# Altium PCB PCB_HTN.PcbDoc
Units mil, origin at the board's own origin, x right, y up, seen from the top; angles counter-clockwise.
Board outline 3300 x 2725 mil, 2 copper layers (Top Layer, Bottom Layer); 36 components, 18 nets, 404 pads, 60 vias.
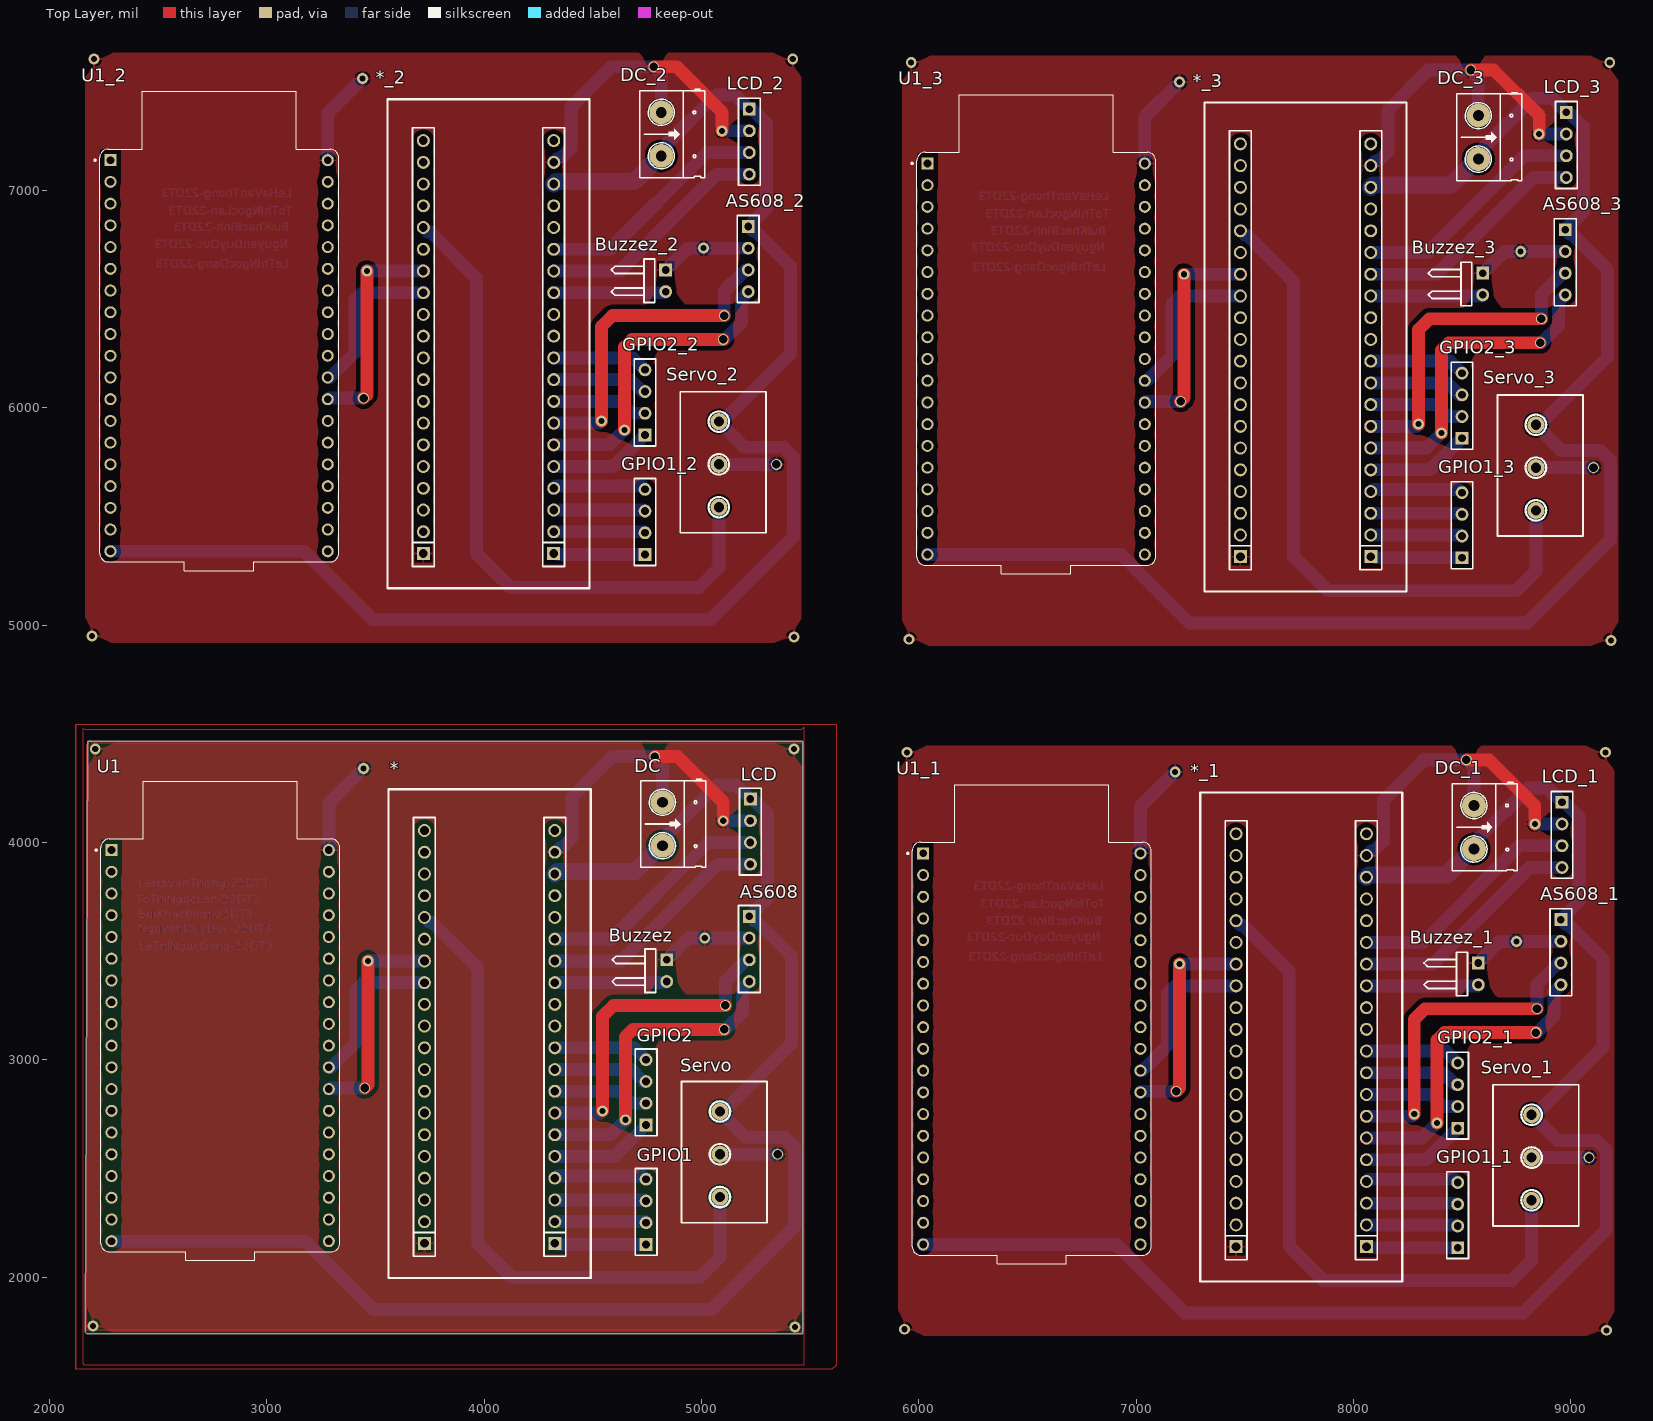
[diagram p0: Top Layer view]
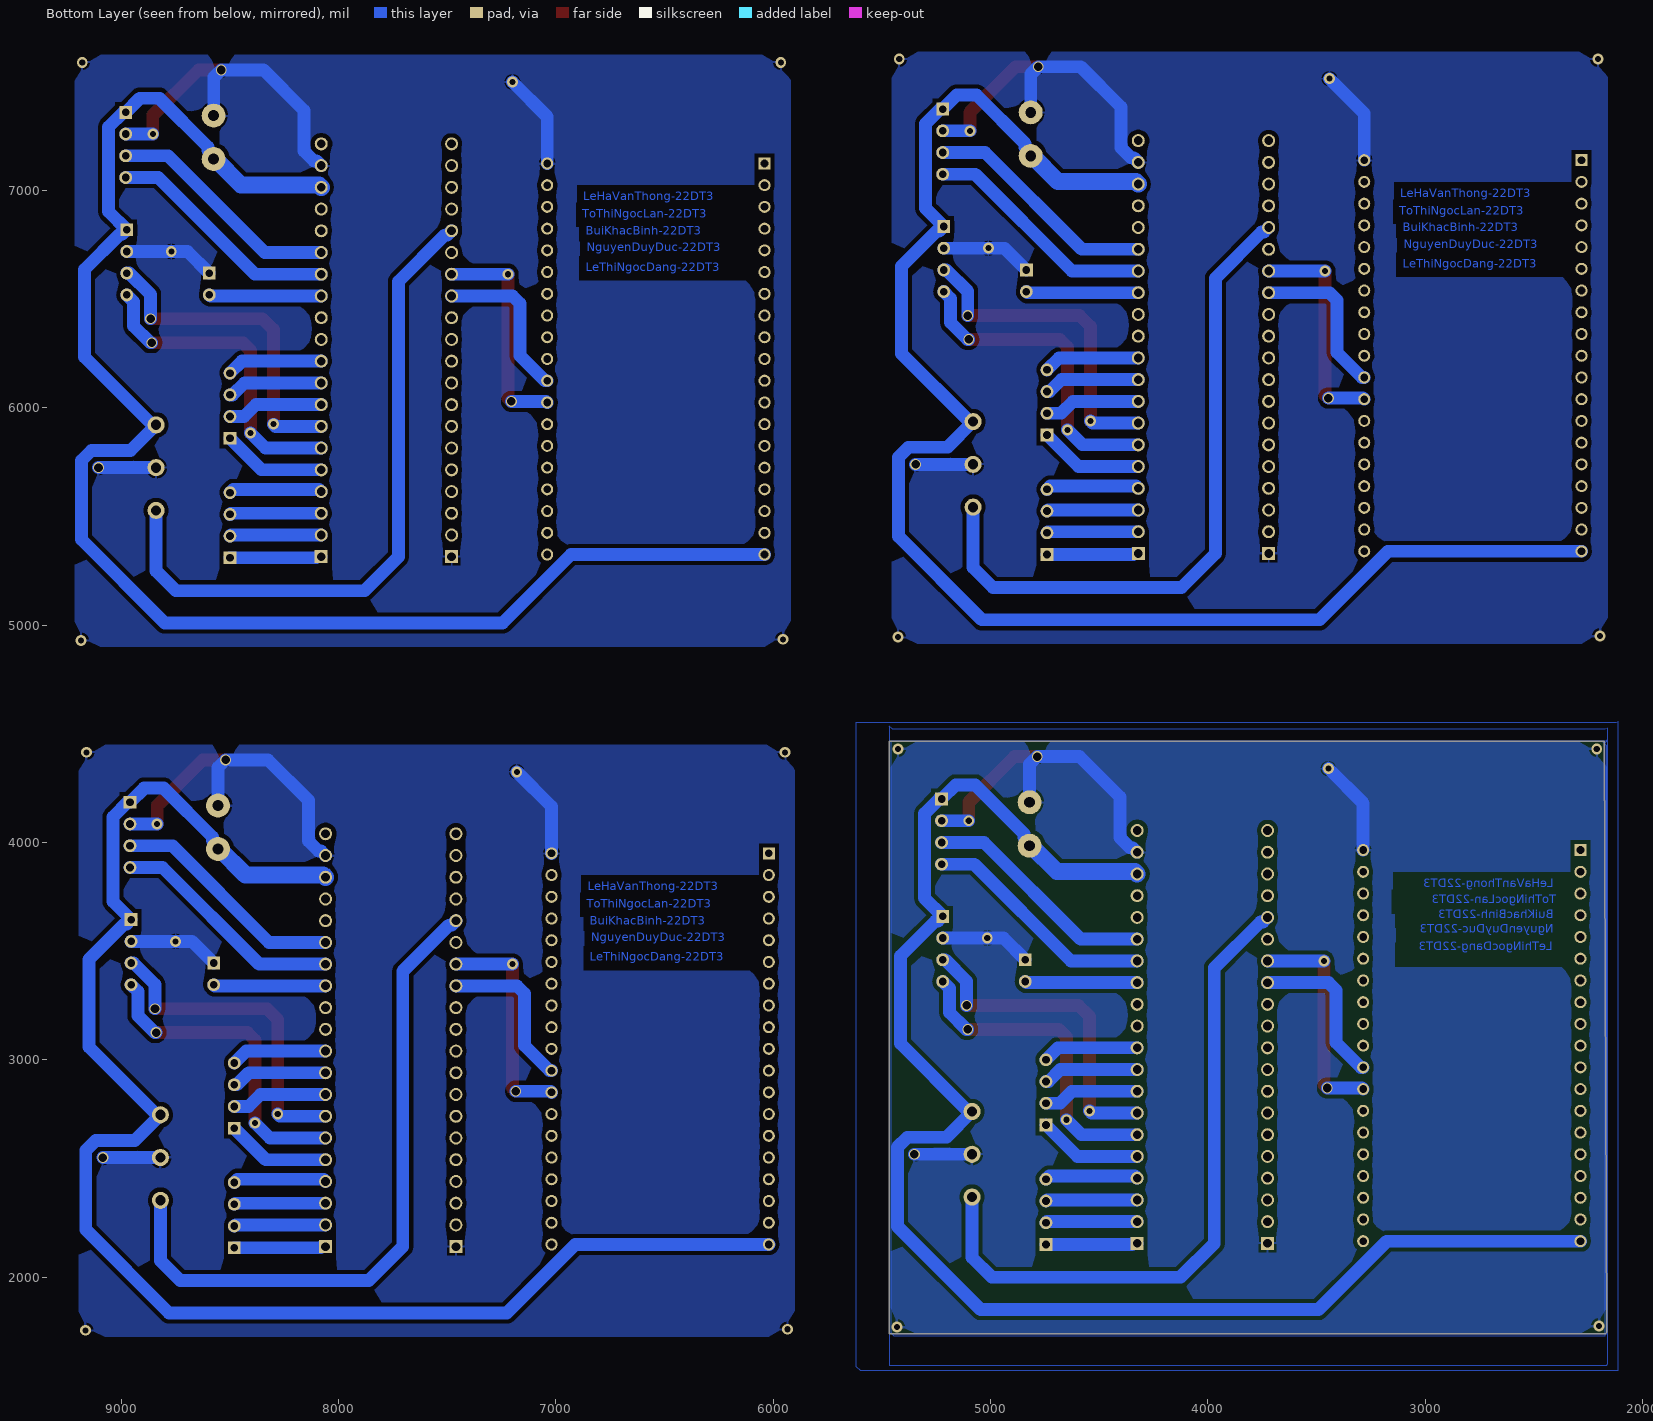
[diagram p1: Bottom Layer view, seen from below]

## Layer stack, top to bottom
Top Solder: solder mask 0.4, Solder Resist, Dk 3.5
Top Layer: signal copper 1.4
Dielectric 1: dielectric 12.6, FR-4, Dk 4.8
Bottom Layer: signal copper 1.4
Bottom Solder: solder mask 0.4, Solder Resist, Dk 3.5

## Board outline
2175,4465 5465,4465 5465,1740 2170,1740 2165,1745

## Design rules (kind name [scope] priority, off if disabled: settings)
Clearance [All] p1: gap=19.68 ignorepadtopadclearanceinfootprint=FALSE
PolygonConnect [All] p1: connectstyle=Relief reliefconductorwidth=10 reliefentries=4 polygonreliefangle="90 Angle" airgapwidth=10
RoutingVias [All] p1: holewidth=28 width=50 viastyle="Through Hole" minholewidth=28 minwidth=50 maxholewidth=28 maxwidth=50
SolderMaskExpansion [All] p1: expansion=4 istentingtop=FALSE
SupplyNets "Schematic Supply Nets" [InNet('GND')] p1: voltage=0.000
Width [All] p1: maxlimit=59.06 minlimit=59.06 preferedwidth=59.06
30 further rules are at their usual default settings.

## Classes and differential pairs
component class Sheet_HTN: * *1 AS608 Buzzez DC GPIO1 GPIO2 LCD Servo U1

## Components (designator, comment, footprint, x,y, rotation, side; value= is the part's Value field where it differs from the comment)
* "STM32F103" STM32F103 4930,2900 r90 top
*_1 "STM32F103" STM32F103 8665,2885 r90 top (schematic designator *)
*_2 "STM32F103" STM32F103 4925,6075 r90 top (schematic designator *)
*_3 "STM32F103" STM32F103 8685,6060 r90 top (schematic designator *)
AS608 "Header 4" HDR1X4 5220,3660 r270 top
AS608_1 "Header 4" HDR1X4 8955,3645 r270 top (schematic designator AS608)
AS608_2 "Header 4" HDR1X4 5215,6835 r270 top (schematic designator AS608)
AS608_3 "Header 4" HDR1X4 8975,6820 r270 top (schematic designator AS608)
Buzzez "Header 2H" HDR1X2H 4840,3460 r270 top
Buzzez_1 "Header 2H" HDR1X2H 8575,3445 r270 top (schematic designator Buzzez)
Buzzez_2 "Header 2H" HDR1X2H 4835,6635 r270 top (schematic designator Buzzez)
Buzzez_3 "Header 2H" HDR1X2H 8595,6620 r270 top (schematic designator Buzzez)
DC "Header 2" HED2 4820,4185 r270 top
DC_1 "Header 2" HED2 8555,4170 r270 top (schematic designator DC)
DC_2 "Header 2" HED2 4815,7360 r270 top (schematic designator DC)
DC_3 "Header 2" HED2 8575,7345 r270 top (schematic designator DC)
GPIO1 "Header 4" HDR1X4 4745,2150 r90 top
GPIO1_1 "Header 4" HDR1X4 8480,2135 r90 top (schematic designator GPIO1)
GPIO1_2 "Header 4" HDR1X4 4740,5325 r90 top (schematic designator GPIO1)
GPIO1_3 "Header 4" HDR1X4 8500,5310 r90 top (schematic designator GPIO1)
GPIO2 "Header 4" HDR1X4 4745,2700 r90 top
GPIO2_1 "Header 4" HDR1X4 8480,2685 r90 top (schematic designator GPIO2)
GPIO2_2 "Header 4" HDR1X4 4740,5875 r90 top (schematic designator GPIO2)
GPIO2_3 "Header 4" HDR1X4 8500,5860 r90 top (schematic designator GPIO2)
LCD "Header 4" HDR1X4 5225,4200 r270 top
LCD_1 "Header 4" HDR1X4 8960,4185 r270 top (schematic designator LCD)
LCD_2 "Header 4" HDR1X4 5220,7375 r270 top (schematic designator LCD)
LCD_3 "Header 4" HDR1X4 8980,7360 r270 top (schematic designator LCD)
Servo "Header 3" HED3 5085,2565 r90 top
Servo_1 "Header 3" HED3 8820,2550 r90 top (schematic designator Servo)
Servo_2 "Header 3" HED3 5080,5740 r90 top (schematic designator Servo)
Servo_3 "Header 3" HED3 8840,5725 r90 top (schematic designator Servo)
U1 "ESP32-DEVKITC-32E" MODULE_ESP32-DEVKITC-32E 2785,3065.98 r0 top
U1_1 "ESP32-DEVKITC-32E" MODULE_ESP32-DEVKITC-32E 6520,3050.98 r0 top (schematic designator U1)
U1_2 "ESP32-DEVKITC-32E" MODULE_ESP32-DEVKITC-32E 2780,6240.98 r0 top (schematic designator U1)
U1_3 "ESP32-DEVKITC-32E" MODULE_ESP32-DEVKITC-32E 6540,6225.98 r0 top (schematic designator U1)

## Footprints (in the part's own frame and the unit in brackets; to place one, negate y for a bottom-side part, rotate by r counter-clockwise, add the part's x,y. Pads: shape width x height; smd on the part's side, far side on the other; paste and mask are expansions set on the pad)
HDR1X2H [mm] "Connector; Header; 2 Position; Right Angle"
  rect 1.5x1.5 hole 0.9: 1(0,0)
  round 1.5 hole 0.9: 2(2.54,0)
  silkscreen extent -1.27,-6.35 3.81,-1.27, body extent -1.27,-7 3.81,1.27, height 4.33
HDR1X4 [mm] "Connector; Header; 4 Position"
  rect 1.5x1.5 hole 0.9: 1(0,0)
  round 1.5 hole 0.9: 2(2.54,0) 3(5.08,0) 4(7.62,0)
  silkscreen extent -1.27,-1.27 8.89,1.27, body extent -1.27,-1.27 8.89,1.27, height 7
HED2 [mil] "Header 2, 2 pin, hight 300mil, Pin to Pin 200, Colour Green"
  round 110 hole 50: 1(0,0) 2(200,0)
  silkscreen extent -106,-100 300,200, body extent -92,-140 302,155, height 394
HED3 [mm]
  round 2 hole 1.2 mask+0.01: 1(-5,0) 2(0,0) 3(5,0)
  silkscreen extent -8,-5.5 8.5,4.5, body extent -7.5,-5 8,4, height 12.5
MODULE_ESP32-DEVKITC-32E [mm]
  rect 1.408x1.408 / inner round 1.408 / far side rect 1.408x1.408 hole 0.9: J2_1(-12.7,22.835)
  round 1.408 hole 0.9: J2_2(-12.7,20.295) J2_3(-12.7,17.755) J2_4(-12.7,15.215) J2_5(-12.7,12.675) J2_6(-12.7,10.135) J2_7(-12.7,7.595) J2_8(-12.7,5.055) J2_9(-12.7,2.515) J2_10(-12.7,-0.025) J2_11(-12.7,-2.565) J2_12(-12.7,-5.105) J2_13(-12.7,-7.645) J2_14(-12.7,-10.185) J2_15(-12.7,-12.725) J2_16(-12.7,-15.265) J2_17(-12.7,-17.805) J2_18(-12.7,-20.345) J2_19(-12.7,-22.885) J3_1(12.7,22.835) J3_2(12.7,20.295) J3_3(12.7,17.755) J3_4(12.7,15.215) J3_5(12.7,12.675) J3_6(12.7,10.135) J3_7(12.7,7.595) J3_8(12.7,5.055) J3_9(12.7,2.515) J3_10(12.7,-0.025) J3_11(12.7,-2.565) J3_12(12.7,-5.105) J3_13(12.7,-7.645) J3_14(12.7,-10.185) J3_15(12.7,-12.725) J3_16(12.7,-15.265) J3_17(12.7,-17.805) J3_18(12.7,-20.345) J3_19(12.7,-22.885)
  silkscreen extent -14.6,-25.13 13.97,30.87, body extent -13.97,-24.8 13.97,30.3, height 6.69
STM32F103 [mm]
  rect 1.52x1.52 hole 1.02: 0(-18.923,30.607) 39(-18.923,15.367)
  round 1.52 hole 1.02: 1(-16.383,30.607) 2(-13.843,30.607) 3(-11.303,30.607) 4(-8.763,30.607) 5(-6.223,30.607) 6(-3.683,30.607) 7(-1.143,30.607) 8(1.397,30.607) 9(3.937,30.607) 10(6.477,30.607) 11(9.017,30.607) 12(11.557,30.607) 13(14.097,30.607) 14(16.637,30.607) 15(19.177,30.607) 16(21.717,30.607) 17(24.257,30.607) 18(26.797,30.607) 19(29.337,30.607) 20(29.337,15.367) 21(26.797,15.367) 22(24.257,15.367) 23(21.717,15.367) 24(19.177,15.367) 25(16.637,15.367) 26(14.097,15.367) 27(11.557,15.367) 28(9.017,15.367) 29(6.477,15.367) 30(3.937,15.367) 31(1.397,15.367) 32(-1.143,15.367) 33(-3.683,15.367) 34(-6.223,15.367) 35(-8.763,15.367) 36(-11.303,15.367) 37(-13.843,15.367) 38(-16.383,15.367)
  silkscreen extent -22.99,11.18 34.16,34.8, body extent -22.23,11.43 35.33,34.29, height 20.44

## Part data
AS608 AS608_1 AS608_2 AS608_3 GPIO1 GPIO1_1 GPIO1_2 GPIO1_3 GPIO2 GPIO2_1 GPIO2_2 GPIO2_3 LCD LCD_1 LCD_2 LCD_3: "Header, 4-Pin", LatestRevisionDate=17-Jul-2002, LatestRevisionNote="Re-released for DXP Platform.", Publisher="Altium Limited"
Buzzez Buzzez_1 Buzzez_2 Buzzez_3: "Header, 2-Pin, Right Angle", LatestRevisionDate=17-Jul-2002, LatestRevisionNote="Re-released for DXP Platform.", Publisher="Altium Limited"
DC DC_1 DC_2 DC_3: library part Hed2, "Header 2 (Green)"
Servo Servo_1 Servo_2 Servo_3: library part Hed3, "Header 3 (Green)"
U1 U1_1 U1_2 U1_3: "The ESP32-DEVKITC-32E transceiver evaluation board from Espressif Systems is a powerful development tool for wireless communication technologies. It supports 802.11 b/g/n Wi-Fi and BluetoothÂ® Smart Ready 4.x (BLE) dual-mode at 2.4GHz, making it ideal for", Package=None, Check_prices=https://www.snapeda.com/parts/ESP32-DEVKITC-32E/Espressif+Systems/view-part/?ref=eda, MF="Espressif Systems", MP=ESP32-DEVKITC-32E, SnapEDA_Link=https://www.snapeda.com/parts/ESP32-DEVKITC-32E/Espressif+Systems/view-part/?ref=snap

## Via types
v1: diameter 50/50 (per signal layer), hole 28, Top Layer to Bottom Layer, 32 vias
v2: diameter 50/50 (per signal layer), hole 39.37, Top Layer to Bottom Layer, 20 vias
v3: diameter 50, hole 28, Top Layer to Bottom Layer, 8 vias

## Nets (pads, with @x,y where several pads share a name; then routed paths per layer and width w, separated by ;. In a path a pad name is that pad's centre, name@x,y a point inside that pad or via, vN(x,y) a via of type N, cw(c..) or ccw(c..) an arc to the next point about the centre after c; other vN are vias at no path point)
GND: *.0 *.21 AS608.2 Buzzez.1 DC.1 LCD.2 Servo.2 U1.J3_1 | length 2705.9
  Top Layer w59.06: v2(4785,4395) 4890,4395 5100,4185 v1(5100,4100)
  Bottom Layer w59.06: U1.J3_1 3285,4180 v3(3445,4340) ; *.21 4325.21,3955 4346.08,3975.87 4357.78,3975.87 4404.13,4022.22 4404.13,4209.13 4590,4395 v2(4785,4395) 4820,4360 DC.1 ; Buzzez.1 4940,3560 v1@5005,3560 ; v1(5015,3560) AS608.2 ; Servo.2 v2(5350,2565) ; v1(5100,4100) LCD.2
  other v1: 5430,1770 2200,1775 2210,4430 5425,4430
Net*_12: *.12 U1.J3_11 | length 742.3
  Bottom Layer w59.06: U1.J3_11 3295,2965 3410,3080 3410,3320.26 3444.59,3354.85 3724.85,3354.85 *.12
Net*_13: *.13 U1.J3_12 | length 1018.5
  Top Layer w59.06: v2(3450,2870) 3465,2885 v3(3465,3455) ; *.13@3724.79,3455 *.13
  Bottom Layer w59.06: U1.J3_12 3290,2870 v2(3450,2870) ; v3(3465,3455) *.13
Net*_15: *.15 Servo.1 | length 3104.1
  Bottom Layer w59.06: *.15 3725.21,3655 3746.08,3634.13 3757.78,3634.13 3970,3421.91 3970,2155 4126.26,1998.74 4993.74,1998.74 5085,2090 Servo.1
Net*_22: *.22 AS608.1 DC.2 LCD.1 Servo.3 U1.J2_19 | length 7068.5
  Bottom Layer w59.06: U1.J2_19 3176.21,2165 3491.21,1850 5045,1850 5428.74,2233.74 5428.74,2597.62 5382.62,2643.74 5203.11,2643.74 Servo.3 5088.77,2765.62 5105.57,2765.62 5414.21,3074.26 5414.21,3477.14 5252.62,3638.74 5241.26,3638.74 AS608.1 5303.74,3743.74 5303.74,4132.62 5236.36,4200 LCD.1 5160,4265 5070,4265 4845.47,4040.47 4845.47,4024.26 4820,3998.79 DC.2
  Bottom Layer w78.74: *.22 4336.02,3866.02 4694.16,3866.02 4813.14,3985 DC.2
Net*_25: *.25 LCD.3 | length 1084.3
  Bottom Layer w59.06: *.25 4585,3555 5030,4000 LCD.3
Net*_26: *.26 LCD.4 | length 1084.3
  Bottom Layer w59.06: *.26 4630,3455 5075,3900 LCD.4
Net*_27: *.27 Buzzez.2 | length 517.1
  Bottom Layer w59.06: *.27 4835,3355 Buzzez.2
Net*_30: *.30 GPIO2.4 | length 442.6
  Bottom Layer w59.06: *.30@4325.21,3055 4690,3055 GPIO2.4
Net*_31: *.31 GPIO2.3 | length 442.8
  Bottom Layer w59.06: *.31 4678.64,2955 4733.64,2900 GPIO2.3
Net*_32: *.32 GPIO2.2 | length 442.8
  Bottom Layer w59.06: *.32 4625,2855 4680,2800 GPIO2.2
Net*_33: *.33 AS608.3 | length 1507.3
  Top Layer w59.06: *.33 *.33@4325.21,2755 ; v1(4545,2765) 4545,3200 4595,3250 v2(5110,3250)
  Bottom Layer w59.06: *.33 4535,2755 v1(4545,2765) ; v2(5110,3250) 5110,3361.36 5208.64,3460 AS608.3
Net*_34: *.34 AS608.4 | length 1475.9
  Top Layer w59.06: *.34 *.34@4325.15,2655.15 ; v1(4650,2724.02) 4650,3105.41 4684.59,3140 v2(5105,3140)
  Bottom Layer w59.06: *.34 4580.98,2655 v1(4650,2724.02) ; v2(5105,3140) 5111.36,3140 5188.74,3217.38 5188.74,3328.74 AS608.4
Net*_35: *.35 GPIO2.1 | length 480.1
  Bottom Layer w59.06: *.35 4600,2555 GPIO2.1
Net*_36: *.36 GPIO1.4 | length 430.4
  Bottom Layer w59.06: *.36 4325.21,2455 4335.21,2465 4730,2465 GPIO1.4
Net*_37: *.37 GPIO1.3 | length 422.1
  Bottom Layer w59.06: *.37 4740,2355 GPIO1.3
Net*_38: *.38 GPIO1.2 | length 422.1
  Bottom Layer w59.06: *.38 4740,2255 GPIO1.2
Net*_39: *.39 GPIO1.1 | length 422.1
  Bottom Layer w59.06: *.39 4325.39,2154.61 4343.48,2154.61 4348.08,2150 GPIO1.1
pads on no net: *.1 *.2 *.3 *.4 *.5 *.6 *.7 *.8 *.9 *.10 *.11 *.14 *.16 *.17 *.18 *.19 *.20 *.23 *.24 *.28 *.29 *_1.0 *_1.1 *_1.2 *_1.3 *_1.4 *_1.5 *_1.6 *_1.7 *_1.8 *_1.9 *_1.10 *_1.11 *_1.12 *_1.13 *_1.14 *_1.15 *_1.16 *_1.17 *_1.18 *_1.19 *_1.20 *_1.21 *_1.22 *_1.23 *_1.24 *_1.25 *_1.26 *_1.27 *_1.28 *_1.29 *_1.30 *_1.31 *_1.32 *_1.33 *_1.34 *_1.35 *_1.36 *_1.37 *_1.38 *_1.39 *_2.0 *_2.1 *_2.2 *_2.3 *_2.4 *_2.5 *_2.6 *_2.7 *_2.8 *_2.9 *_2.10 *_2.11 *_2.12 *_2.13 *_2.14 *_2.15 *_2.16 *_2.17 *_2.18 *_2.19 *_2.20 *_2.21 *_2.22 *_2.23 *_2.24 *_2.25 *_2.26 *_2.27 *_2.28 *_2.29 *_2.30 *_2.31 *_2.32 *_2.33 *_2.34 *_2.35 *_2.36 *_2.37 *_2.38 *_2.39 *_3.0 *_3.1 *_3.2 *_3.3 *_3.4 *_3.5 *_3.6 *_3.7 *_3.8 *_3.9 *_3.10 *_3.11 *_3.12 *_3.13 *_3.14 *_3.15 *_3.16 *_3.17 *_3.18 *_3.19 *_3.20 *_3.21 *_3.22 *_3.23 *_3.24 *_3.25 *_3.26 *_3.27 *_3.28 *_3.29 *_3.30 *_3.31 *_3.32 *_3.33 *_3.34 *_3.35 *_3.36 *_3.37 *_3.38 *_3.39 AS608_1.1 AS608_1.2 AS608_1.3 AS608_1.4 AS608_2.1 AS608_2.2 AS608_2.3 AS608_2.4 AS608_3.1 AS608_3.2 AS608_3.3 AS608_3.4 Buzzez_1.1 Buzzez_1.2 Buzzez_2.1 Buzzez_2.2 Buzzez_3.1 Buzzez_3.2 DC_1.1 DC_1.2 DC_2.1 DC_2.2 DC_3.1 DC_3.2 GPIO1_1.1 GPIO1_1.2 GPIO1_1.3 GPIO1_1.4 GPIO1_2.1 GPIO1_2.2 GPIO1_2.3 GPIO1_2.4 GPIO1_3.1 GPIO1_3.2 GPIO1_3.3 GPIO1_3.4 GPIO2_1.1 GPIO2_1.2 GPIO2_1.3 GPIO2_1.4 GPIO2_2.1 GPIO2_2.2 GPIO2_2.3 GPIO2_2.4 GPIO2_3.1 GPIO2_3.2 GPIO2_3.3 GPIO2_3.4 LCD_1.1 LCD_1.2 LCD_1.3 LCD_1.4 LCD_2.1 LCD_2.2 LCD_2.3 LCD_2.4 LCD_3.1 LCD_3.2 LCD_3.3 LCD_3.4 Servo_1.1 Servo_1.2 Servo_1.3 Servo_2.1 Servo_2.2 Servo_2.3 Servo_3.1 Servo_3.2 Servo_3.3 U1.J2_1 U1.J2_2 U1.J2_3 U1.J2_4 U1.J2_5 U1.J2_6 U1.J2_7 U1.J2_8 U1.J2_9 U1.J2_10 U1.J2_11 U1.J2_12 U1.J2_13 U1.J2_14 U1.J2_15 U1.J2_16 U1.J2_17 U1.J2_18 U1.J3_2 U1.J3_3 U1.J3_4 U1.J3_5 U1.J3_6 U1.J3_7 U1.J3_8 U1.J3_9 U1.J3_10 U1.J3_13 U1.J3_14 U1.J3_15 U1.J3_16 U1.J3_17 U1.J3_18 U1.J3_19 U1_1.J2_1 U1_1.J2_2 U1_1.J2_3 U1_1.J2_4 U1_1.J2_5 U1_1.J2_6 U1_1.J2_7 U1_1.J2_8 U1_1.J2_9 U1_1.J2_10 U1_1.J2_11 U1_1.J2_12 U1_1.J2_13 U1_1.J2_14 U1_1.J2_15 U1_1.J2_16 U1_1.J2_17 U1_1.J2_18 U1_1.J2_19 U1_1.J3_1 U1_1.J3_2 U1_1.J3_3 U1_1.J3_4 U1_1.J3_5 U1_1.J3_6 U1_1.J3_7 U1_1.J3_8 U1_1.J3_9 U1_1.J3_10 U1_1.J3_11 U1_1.J3_12 U1_1.J3_13 U1_1.J3_14 U1_1.J3_15 U1_1.J3_16 U1_1.J3_17 U1_1.J3_18 U1_1.J3_19 U1_2.J2_1 U1_2.J2_2 U1_2.J2_3 U1_2.J2_4 U1_2.J2_5 U1_2.J2_6 U1_2.J2_7 U1_2.J2_8 U1_2.J2_9 U1_2.J2_10 U1_2.J2_11 U1_2.J2_12 U1_2.J2_13 U1_2.J2_14 U1_2.J2_15 U1_2.J2_16 U1_2.J2_17 U1_2.J2_18 U1_2.J2_19 U1_2.J3_1 U1_2.J3_2 U1_2.J3_3 U1_2.J3_4 U1_2.J3_5 U1_2.J3_6 U1_2.J3_7 U1_2.J3_8 U1_2.J3_9 U1_2.J3_10 U1_2.J3_11 U1_2.J3_12 U1_2.J3_13 U1_2.J3_14 U1_2.J3_15 U1_2.J3_16 U1_2.J3_17 U1_2.J3_18 U1_2.J3_19 U1_3.J2_1 U1_3.J2_2 U1_3.J2_3 U1_3.J2_4 U1_3.J2_5 U1_3.J2_6 U1_3.J2_7 U1_3.J2_8 U1_3.J2_9 U1_3.J2_10 U1_3.J2_11 U1_3.J2_12 U1_3.J2_13 U1_3.J2_14 U1_3.J2_15 U1_3.J2_16 U1_3.J2_17 U1_3.J2_18 U1_3.J2_19 U1_3.J3_1 U1_3.J3_2 U1_3.J3_3 U1_3.J3_4 U1_3.J3_5 U1_3.J3_6 U1_3.J3_7 U1_3.J3_8 U1_3.J3_9 U1_3.J3_10 U1_3.J3_11 U1_3.J3_12 U1_3.J3_13 U1_3.J3_14 U1_3.J3_15 U1_3.J3_16 U1_3.J3_17 U1_3.J3_18 U1_3.J3_19
copper on no net: | length 71439.1
  Top Layer w59.06: v2(3445,6045) 3460,6060 v3(3460,6630) ; 3719.79,6630 3720,6630 ; 4320,5830 4320.15,5830.15 ; 4320,5930 4320.21,5930 ; v1(4540,5940) 4540,6375 4590,6425 v2(5105,6425) ; v1(4645,5899.02) 4645,6280.41 4679.59,6315 v2(5100,6315) ; v2(4780,7570) 4885,7570 5095,7360 v1(5095,7275) ; v2(7185,2855) 7200,2870 v3(7200,3440) ; v2(7205,6030) 7220,6045 v3(7220,6615) ; 7459.79,3440 7460,3440 ; 7479.79,6615 7480,6615 ; 8060,2640 8060.15,2640.15 ; 8060,2740 8060.21,2740 ; 8080,5815 8080.15,5815.15 ; 8080,5915 8080.21,5915 ; v1(8280,2750) 8280,3185 8330,3235 v2(8845,3235) ; v1(8300,5925) 8300,6360 8350,6410 v2(8865,6410) ; v1(8385,2709.02) 8385,3090.41 8419.59,3125 v2(8840,3125) ; v1(8405,5884.02) 8405,6265.41 8439.59,6300 v2(8860,6300) ; v2(8520,4380) 8625,4380 8835,4170 v1(8835,4085) ; v2(8540,7555) 8645,7555 8855,7345 v1(8855,7260)
  Bottom Layer w59.06: 2280,5340 3171.21,5340 3486.21,5025 5040,5025 5423.74,5408.74 5423.74,5772.62 5377.62,5818.74 5198.11,5818.74 5080,5936.85 5083.77,5940.62 5100.57,5940.62 5409.21,6249.26 5409.21,6652.14 5247.62,6813.74 5236.26,6813.74 5215,6835 5298.74,6918.74 5298.74,7307.62 5231.36,7375 5220,7375 5155,7440 5065,7440 4840.47,7215.47 4840.47,7199.26 4815,7173.79 4815,7160 ; 3280,6040 3285,6045 v2(3445,6045) ; 3280,6140 3290,6140 3405,6255 3405,6495.26 3439.59,6529.85 3719.85,6529.85 3720,6530 ; 3280,7140 3280,7355 v3(3440,7515) ; v3(3460,6630) 3720,6630 ; 3720,6830 3720.21,6830 3741.08,6809.13 3752.78,6809.13 3965,6596.91 3965,5330 4121.26,5173.74 4988.74,5173.74 5080,5265 5080,5543.15 ; 4320,5330 4320.39,5329.61 4338.48,5329.61 4343.08,5325 4740,5325 ; 4320,5430 4735,5430 4740,5425 ; 4320,5530 4735,5530 4740,5525 ; 4320,5630 4320.21,5630 4330.21,5640 4725,5640 4740,5625 ; 4320,5730 4595,5730 4740,5875 ; 4320,5830 4575.98,5830 v1(4645,5899.02) ; 4320,5930 4530,5930 v1(4540,5940) ; 4320,6030 4620,6030 4675,5975 4740,5975 ; 4320,6130 4673.64,6130 4728.64,6075 4740,6075 ; 4320,6530 4830,6530 4835,6535 ; 4320,6630 4625,6630 5070,7075 5220,7075 ; 4320,6730 4580,6730 5025,7175 5220,7175 ; 4320,7130 4320.21,7130 4341.08,7150.87 4352.78,7150.87 4399.13,7197.22 4399.13,7384.13 4585,7570 v2(4780,7570) 4815,7535 4815,7360 ; 4320.21,6230 4685,6230 4740,6175 ; 4835,6635 4935,6735 v1@5000,6735 ; v1(5010,6735) 5215,6735 ; 5080,5740 v2(5345,5740) ; v1(5095,7275) 5220,7275 ; v2(5100,6315) 5106.36,6315 5183.74,6392.38 5183.74,6503.74 5215,6535 ; v2(5105,6425) 5105,6536.36 5203.64,6635 5215,6635 ; 6020,2150 6911.21,2150 7226.21,1835 8780,1835 9163.74,2218.74 9163.74,2582.62 9117.62,2628.74 8938.11,2628.74 8820,2746.85 8823.77,2750.62 8840.57,2750.62 9149.21,3059.26 9149.21,3462.14 8987.62,3623.74 8976.26,3623.74 8955,3645 9038.74,3728.74 9038.74,4117.62 8971.36,4185 8960,4185 8895,4250 8805,4250 8580.47,4025.47 8580.47,4009.26 8555,3983.79 8555,3970 ; 6040,5325 6931.21,5325 7246.21,5010 8800,5010 9183.74,5393.74 9183.74,5757.62 9137.62,5803.74 8958.11,5803.74 8840,5921.85 8843.77,5925.62 8860.57,5925.62 9169.21,6234.26 9169.21,6637.14 9007.62,6798.74 8996.26,6798.74 8975,6820 9058.74,6903.74 9058.74,7292.62 8991.36,7360 8980,7360 8915,7425 8825,7425 8600.47,7200.47 8600.47,7184.26 8575,7158.79 8575,7145 ; 7020,2850 7025,2855 v2(7185,2855) ; 7020,2950 7030,2950 7145,3065 7145,3305.26 7179.59,3339.85 7459.85,3339.85 7460,3340 ; 7020,3950 7020,4165 v3(7180,4325) ; 7040,6025 7045,6030 v2(7205,6030) ; 7040,6125 7050,6125 7165,6240 7165,6480.26 7199.59,6514.85 7479.85,6514.85 7480,6515 ; 7040,7125 7040,7340 v3(7200,7500) ; v3(7200,3440) 7460,3440 ; v3(7220,6615) 7480,6615 ; 7460,3640 7460.21,3640 7481.08,3619.13 7492.78,3619.13 7705,3406.91 7705,2140 7861.26,1983.74 8728.74,1983.74 8820,2075 8820,2353.15 ; 7480,6815 7480.21,6815 7501.08,6794.13 7512.78,6794.13 7725,6581.91 7725,5315 7881.26,5158.74 8748.74,5158.74 8840,5250 8840,5528.15 ; 8060,2140 8060.39,2139.61 8078.48,2139.61 8083.08,2135 8480,2135 ; 8060,2240 8475,2240 8480,2235 ; 8060,2340 8475,2340 8480,2335 ; 8060,2440 8060.21,2440 8070.21,2450 8465,2450 8480,2435 ; 8060,2540 8335,2540 8480,2685 ; 8060,2640 8315.98,2640 v1(8385,2709.02) ; 8060,2740 8270,2740 v1(8280,2750) ; 8060,2840 8360,2840 8415,2785 8480,2785 ; 8060,2940 8413.64,2940 8468.64,2885 8480,2885 ; 8060,3340 8570,3340 8575,3345 ; 8060,3440 8365,3440 8810,3885 8960,3885 ; 8060,3540 8320,3540 8765,3985 8960,3985 ; 8060,3940 8060.21,3940 8081.08,3960.87 8092.78,3960.87 8139.13,4007.22 8139.13,4194.13 8325,4380 v2(8520,4380) 8555,4345 8555,4170 ; 8060.21,3040 8425,3040 8480,2985 ; 8080,5315 8080.39,5314.61 8098.48,5314.61 8103.08,5310 8500,5310 ; 8080,5415 8495,5415 8500,5410 ; 8080,5515 8495,5515 8500,5510 ; 8080,5615 8080.21,5615 8090.21,5625 8485,5625 8500,5610 ; 8080,5715 8355,5715 8500,5860 ; 8080,5815 8335.98,5815 v1(8405,5884.02) ; 8080,5915 8290,5915 v1(8300,5925) ; 8080,6015 8380,6015 8435,5960 8500,5960 ; 8080,6115 8433.64,6115 8488.64,6060 8500,6060 ; 8080,6515 8590,6515 8595,6520 ; 8080,6615 8385,6615 8830,7060 8980,7060 ; 8080,6715 8340,6715 8785,7160 8980,7160 ; 8080,7115 8080.21,7115 8101.08,7135.87 8112.78,7135.87 8159.13,7182.22 8159.13,7369.13 8345,7555 v2(8540,7555) 8575,7520 8575,7345 ; 8080.21,6215 8445,6215 8500,6160 ; 8575,3445 8675,3545 v1@8740,3545 ; 8595,6620 8695,6720 v1@8760,6720 ; v1(8750,3545) 8955,3545 ; v1(8770,6720) 8975,6720 ; 8820,2550 v2(9085,2550) ; v1(8835,4085) 8960,4085 ; v2(8840,3125) 8846.36,3125 8923.74,3202.38 8923.74,3313.74 8955,3345 ; 8840,5725 v2(9105,5725) ; v2(8845,3235) 8845,3346.36 8943.64,3445 8955,3445 ; v1(8855,7260) 8980,7260 ; v2(8860,6300) 8866.36,6300 8943.74,6377.38 8943.74,6488.74 8975,6520 ; v2(8865,6410) 8865,6521.36 8963.64,6620 8975,6620
  Bottom Layer w78.74: 4320,7030 4331.02,7041.02 4689.16,7041.02 4808.14,7160 4815,7160 ; 8060,3840 8071.02,3851.02 8429.16,3851.02 8548.14,3970 8555,3970 ; 8080,7015 8091.02,7026.02 8449.16,7026.02 8568.14,7145 8575,7145
  other v1: 9165,1755 5935,1760 5945,4415 9160,4415 9185,4930 5955,4935 5425,4945 2195,4950 5965,7590 9180,7590 2205,7605 5420,7605

## Polygon pours and split planes (outlines as drawn)
no net on Top Layer "NONET_L-01_P-001" (solid, remove dead copper, pour order 38): 5937.5,7625 5942.5,7620 9220,7620 9220,4915 9210,4905 5925,4905 5925,7610 5935,7620
no net on Top Layer "NONET_L-01_P-001" (solid, remove dead copper, pour order 36): 2177.5,7640 2182.5,7635 5460,7635 5460,4930 5450,4920 2165,4920 2165,7625 2175,7635
no net on Top Layer "NONET_L-01_P-001" (solid, remove dead copper, pour order 34): 5917.5,4450 5922.5,4445 9200,4445 9200,1740 9190,1730 5905,1730 5905,4435 5915,4445
GND on Top Layer "NONET_L-01_P-001" (solid, remove dead copper, pour order 32): 2182.5,4465 2187.5,4460 5465,4460 5465,1755 5455,1745 2170,1745 2170,4450 2180,4460
GND on Top Layer "NONET_L-01_P-001" (solid, remove dead copper, shelved, pour order 11): 2185,4470 2195,4460 5465,4460 5465,1755 5450,1740 5435,1755 2170,1755 2170,4450 2180,4460
GND on Top Layer "NONET_L-01_P-001" (solid, remove dead copper, shelved, pour order 3): 2165,4520 5460,4520 5470,4530 5470,1595 2160,1595 2155,1600 2155,4525
GND on Top Layer "NONET_L-01_P-001" (solid, remove dead copper, shelved, pour order 0): 5620,4545 5620,1595 5600,1575 2120,1575 2120,4545 2120,1575 2120,4545
no net on Bottom Layer "NONET_L-01_P-001" (solid, remove dead copper, pour order 39): 5925,7620 5930,7625 9215,7625 9215,4905 9200,4890 9190,4900 5920,4900 5920,7605
no net on Bottom Layer "NONET_L-01_P-001" (solid, remove dead copper, pour order 37): 2165,7635 2170,7640 5455,7640 5455,4920 5440,4905 5430,4915 2160,4915 2160,7620
no net on Bottom Layer "NONET_L-01_P-001" (solid, remove dead copper, pour order 35): 5905,4445 5910,4450 9195,4450 9195,1730 9180,1715 9170,1725 5900,1725 5900,4430
GND on Bottom Layer "NONET_L-01_P-001" (solid, remove dead copper, pour order 33): 2170,4460 2175,4465 5460,4465 5460,1745 5445,1730 5435,1740 2165,1740 2165,4445
GND on Bottom Layer "NONET_L-01_P-001" (solid, shelved, pour order 19): 2185,4465 5460,4465 5460,1745 5452.5,1737.5 5450,1740 2165,1740 2165,4445
GND on Bottom Layer "NONET_L-01_P-001" (solid, remove dead copper, shelved, pour order 12): 2165,4470 2170,4465 5460,4465 5460,1745 5445,1730 2170,1730 2170,4460 2160,4470
GND on Bottom Layer "NONET_L-01_P-001" (solid, remove dead copper, shelved, pour order 2): 2170,4520 5450,4520 5465,4535 5465,1595 2165,1595 2160,1600 2160,4525
GND on Bottom Layer "NONET_L-01_P-001" (solid, remove dead copper, shelved, pour order 1): 2120,4550 5620,4550 5620,1590 5600,1570 2110,1570 2110,4555

## Other copper
Bottom Layer:
  text "LeHaVanThong-22DT3" at 3113.19,6969.93 h39.37
  text "LeHaVanThong-22DT3" at 6873.19,6954.93 h39.37
  text "ToThiNgocLan-22DT3" at 3118.19,6889.93 h39.37
  text "ToThiNgocLan-22DT3" at 6878.19,6874.93 h39.37
  text "BuiKhacBinh-22DT3" at 3103.19,6811.81 h39.37
  text "BuiKhacBinh-22DT3" at 6863.19,6796.81 h39.37
  text "NguyenDuyDuc-22DT3" at 3098.19,6734.93 h39.37
  text "NguyenDuyDuc-22DT3" at 6858.19,6719.93 h39.37
  text "LeThiNgocDang-22DT3" at 3103.19,6644.93 h39.37
  text "LeThiNgocDang-22DT3" at 6863.19,6629.93 h39.37
  text "LeHaVanThong-22DT3" at 2406.81,3794.93 h39.37
  text "LeHaVanThong-22DT3" at 6853.19,3779.93 h39.37
  text "ToThiNgocLan-22DT3" at 2396.81,3719.93 h39.37
  text "ToThiNgocLan-22DT3" at 6858.19,3699.93 h39.37
  text "BuiKhacBinh-22DT3" at 2406.81,3651.81 h39.37
  text "BuiKhacBinh-22DT3" at 6843.19,3621.81 h39.37
  text "NguyenDuyDuc-22DT3" at 2406.81,3584.93 h39.37
  text "NguyenDuyDuc-22DT3" at 6838.19,3544.93 h39.37
  text "LeThiNgocDang-22DT3" at 2411.81,3504.93 h39.37
  text "LeThiNgocDang-22DT3" at 6843.19,3454.93 h39.37